# Altium PCB AccessControl_V1.0.1.PcbDoc (part 2 of 3)
Units mm, origin at the board's own origin, x right, y up, seen from the top; angles counter-clockwise.
Board outline 100 x 100 mm, 4 copper layers (Top Layer, GND, PWR, Bottom Layer), stack 1.586 mm thick; 311 components, 177 nets, 938 pads, 517 vias.
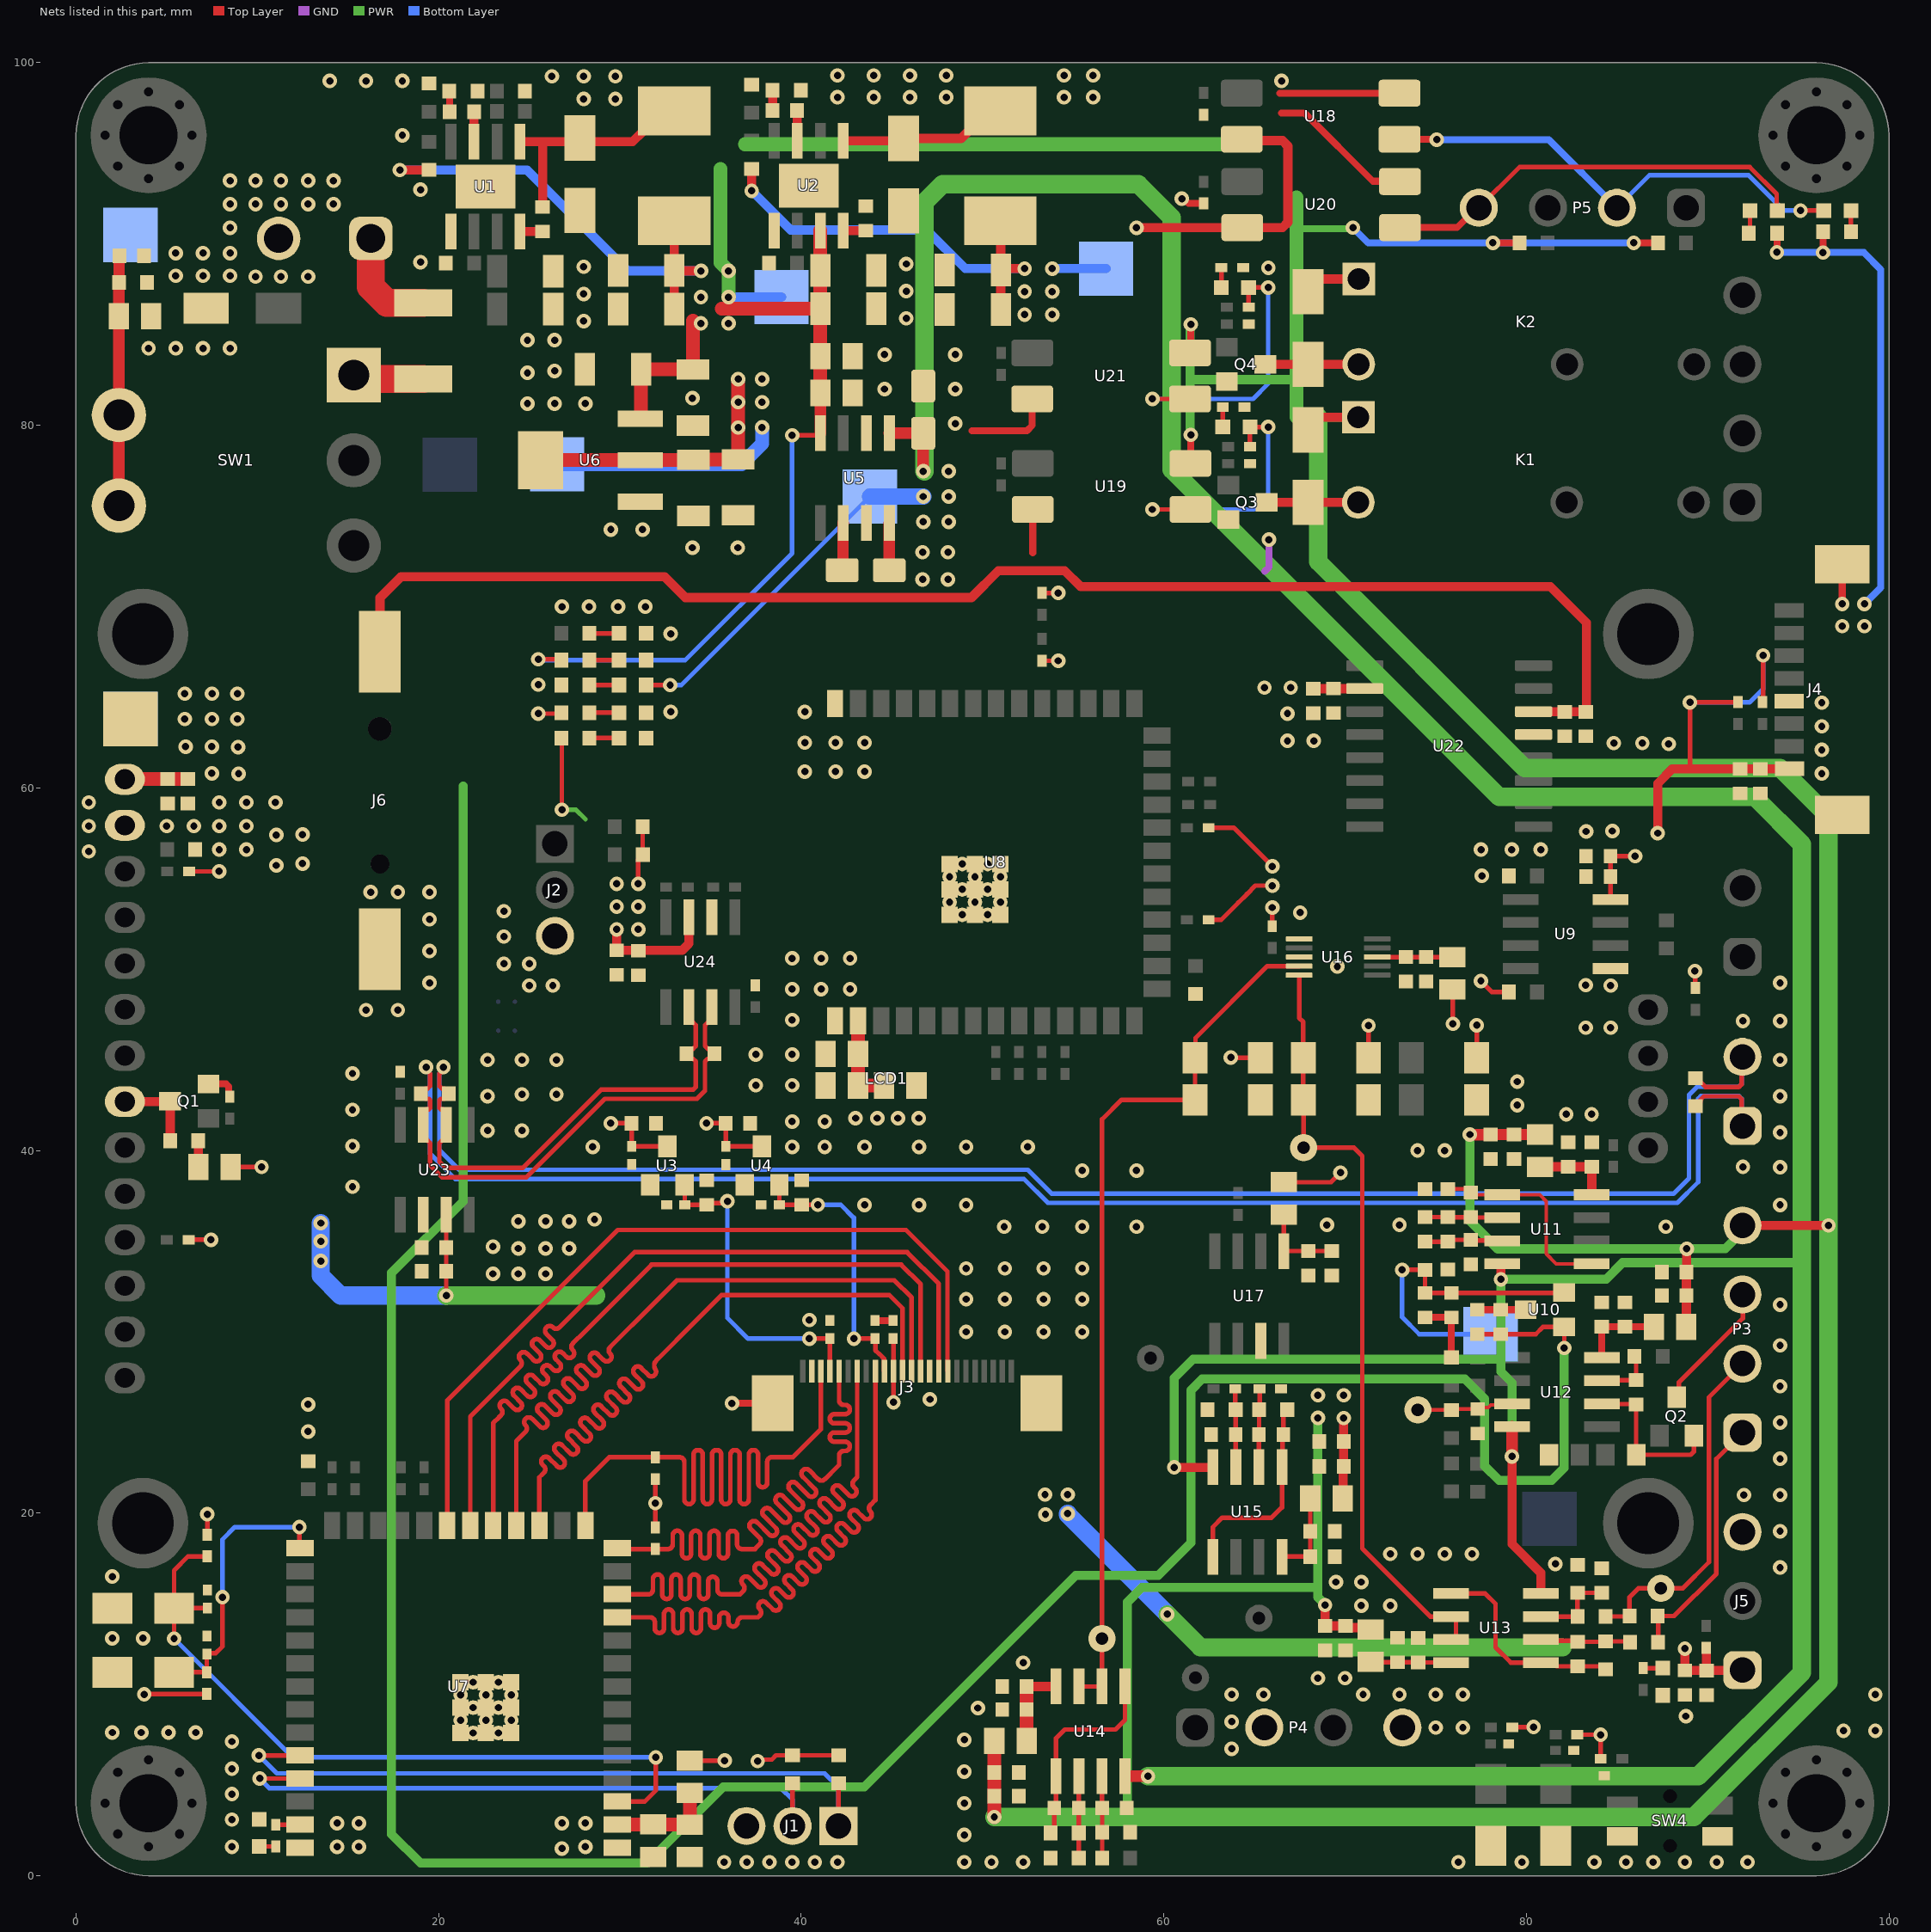
[diagram p4: the nets of this part, all layers, seen from the top]

## Via types
v1: diameter 0.8, hole 0.4, Top Layer to Bottom Layer, tented both sides, 517 vias

## Nets (pads, with @x,y where several pads share a name; then routed paths per layer and width w, separated by ;. In a path a pad name is that pad's centre, name@x,y a point inside that pad or via, vN(x,y) a via of type N, cw(c..) or ccw(c..) an arc to the next point about the centre after c; other vN are vias at no path point) (continued)
1V2: C22.2 C23.2 C39.2 J3.10 U4.2 | length 15.4
  Top Layer w0.254: U4.2@38.796,38.114 C22.2@38.796,37.008 C23.2@40.03,37.008 v1(40.919,37.008) ; v1(42.909,29.624) 44.094,29.624 44.094,28.981 44.297,28.779 44.317,28.779 44.567,28.529 44.567,27.858 J3.10@44.59,27.835
  Bottom Layer w0.254: v1(40.919,37.008) 42.189,37.008 42.909,36.289 v1(42.909,29.624)
2V5: C55.2 C56.2 R53.1 TP10.1 U10.2 | length 18.1
  Top Layer w0.254: v1(73.152,33.42) R53.1@74.413,33.42 C56.2@74.413,32.146 C55.2@75.87,32.146 82.061,32.146 U10.2@82.086,32.17
  Bottom Layer w0.254: v1(73.152,33.42) 73.152,30.81 74.092,29.87 TP10.1@78.029,29.87
2V8: C18.2 C19.2 C40.2 J3.4 U3.2 | length 17.9
  Top Layer w0.254: U3.2@33.574,38.114 33.582,38.106 C18.2@33.582,37.008 C19.2@34.783,37.008 34.882,37.106 35.832,37.106 v1(35.93,37.205) ; v1(40.454,29.624) C40.2@41.58,29.624 41.585,29.619 41.585,27.841 J3.4@41.59,27.835
  Bottom Layer w0.254: v1(35.93,37.205) 35.93,30.77 37.076,29.624 v1(40.454,29.624)
3V3: C10.2 C11.2 C16.2 C17.2 C20.2 C21.2 C41.2 C44.2 C45.2 C46.2 C47.2 C86.2 C87.2 C90.2 C91.2 C92.2 C93.2 C94.2 C95.2 D11.C D13.C D15.C FB2.2 FB3.2 FB4.1 FB10.2 FB11.2 J3.11 J4.1 J5.1 L2.2 R2.2 R14.2 R17.2 R18.2 R21.2 R22.2 R25.2 R26.2 R27.2 R29.2 R30.2 R31.2 R32.2 R33.2 R34.2 R37.2 R41.2 R42.2 R45.2 R77.2 R78.2 R79.2 R95.2 R96.2 R97.2 TP7.1 U3.3 U4.3 U9.8 U18.4 U20.4 U22.2 U23.3 U24.3 | length 208.7
  Top Layer w0.254: v1(3.759,10.008) 3.769,10.017 7.204,10.017 R21.2@7.214,10.027 ; R33.2@6.213,35.077 v1(7.442,35.077) ; R34.2@6.239,55.397 v1(7.897,55.397) ; R22.2@7.239,18.812 v1(7.239,19.939) ; FB4.1@8.537,39.091 v1(10.236,39.091) ; v1(20.422,32.004) C92.2@20.422,33.35 C93.2@20.422,34.646 U23.3@20.422,36.463 ; R14.2@26.788,62.738 26.8,62.725 v1(26.8,58.8) ; v1(29.496,41.504) C16.2@30.643,41.504 C17.2@30.643,40.234 U3.3@32.624,40.234 ; v1(31.013,54.712) 31.013,56.058 R30.2@31.267,56.312 31.255,56.325 R29.2@31.255,57.861 ; R32.2@31.953,19.218 v1(31.953,20.549) R31.2@31.953,21.879 ; FB2.2@33.858,6.353 v1(35.778,6.353) ; v1(34.779,41.504) C20.2@35.839,41.504 C21.2@35.839,40.226 37.838,40.226 U4.3@37.846,40.234 ; v1(37.6,6.325) 37.681,6.406 38.381,6.406 38.617,6.642 R18.2@39.522,6.642 R17.2@42.062,6.642 ; C41.2@45.085,29.624 45.088,29.622 45.088,27.838 J3.11@45.09,27.835 v1(45.09,26.116) ; R97.2@53.289,67.015 v1(54.178,67.015) ; R96.2@53.289,70.755 v1(54.178,70.755) ; R79.2@62.474,52.729 63.168,52.729 64.116,53.677 64.586,54.146 65.049,54.61 v1(65.989,54.61) ; R78.2@62.474,57.809 63.857,57.809 v1(65.989,55.677) ; v1(63.703,45.136) 63.729,45.11 D13.C@65.325,45.11 ; R77.2@65.989,52.373 v1(65.989,53.404) ; FB11.2@66.626,38.254 69.229,38.254 v1(69.75,38.775) ; D11.C@71.294,45.11 71.298,45.114 v1(71.298,46.897) ; FB10.2@75.921,48.89 75.946,48.864 v1(75.946,46.99) ; D15.C@77.263,45.11 77.263,46.91 v1(77.267,46.914) ; v1(77.495,49.352) 78.105,48.743 R45.2@79.04,48.743 ; R26.2@79.293,8.2 79.301,8.192 80.392,8.192 v1(80.4,8.2) ; R27.2@82.815,7.778 v1(84.097,7.778) 84.098,7.777 R25.2@84.1,6.453 R25.2@84.1,6.453 ; U9.8@84.644,53.848 C46.2@84.644,55.118 C47.2@84.644,56.236 v1(86.004,56.236) ; 89.013,61.052 89.027,61.067 v1(89.027,64.719) 89.037,64.729 91.647,64.729 91.657,64.719 R41.2@91.676,64.739 ; v1(89.3,49.9) 89.313,49.887 89.313,48.974 R37.2@89.325,48.962 ; R42.2@93.032,64.739 93.066,64.772 v1(93.066,67.31)
  Top Layer w0.5: R14.2@26.775,62.75 R14.2@26.788,62.738 ; v1(88.75,12.525) C86.2@88.75,11.325 88.753,11.322 C87.2@89.934,11.322 ; R95.2@89.925,12.575 89.929,12.571 89.929,11.327 C87.2@89.934,11.322 ; J5.1@91.875,11.34 91.864,11.33 89.947,11.33 C87.2@89.937,11.319 C87.2@89.934,11.322
  Top Layer w0.508: FB4.1@8.537,39.091 FB4.1@8.555,39.073 ; v1(29.82,52.197) C95.2@29.82,51.043 33.434,51.043 33.807,51.417 U24.3@33.807,52.869 ; v1(37.27,92.939) R2.2@37.27,94.145 ; L2.2@50.986,91.285 51.011,91.26 C10.2@51.011,88.57 ; C11.2@51.011,86.385 C10.2@51.011,88.57 ; v1(52.324,88.646) 51.087,88.646 C10.2@51.011,88.57 ; v1(58.5,90.9) U20.4@64.325,90.9 ; U18.4@64.306,95.783 64.382,95.707 66.548,95.707 66.853,95.402 66.853,91.204 66.555,90.907 U20.4@64.332,90.907 ; C91.2@68.25,65.476 C91.2@68.25,65.47 68.255,65.476 71.082,65.476 U22.2@71.088,65.481 ; v1(87.249,57.506) 87.249,60.249 88.052,61.052 89.013,61.052 C44.2@91.796,61.052 91.801,61.058 94.94,61.058 J4.1@94.945,61.063
  PWR w0.254: v1(26.8,58.8) 26.806,58.794 27.581,58.794 28.099,58.276
  PWR w1: v1(20.422,32.004) 28.696,32.004 ; v1(60.2,14.425) 62.025,12.6 82,12.6
  Bottom Layer w0.254: v1(89.027,64.719) 92.319,64.719 93.066,65.466 v1(93.066,67.31)
  Bottom Layer w0.508: v1(37.27,92.939) 39.429,90.78 46.922,90.78 49.055,88.646 v1(52.324,88.646) ; v1(53.848,88.646) TP7.1@56.82,88.646
  Bottom Layer w1: v1(13.5,36) v1(13.5,35) 13.504,34.996 v1(13.504,33.904) 13.504,33.096 14.596,32.004 v1(20.422,32.004) ; v1(54.7,19.975) 54.7,19.925 v1(60.2,14.425)
  other v1: 53.475,19.925 53.45,21.025 54.7,21.025 43.002,41.783 44.196,41.783 45.339,41.783 46.482,41.783 31.013,52.197 29.82,53.454 31.013,53.454 29.82,54.712 11.049,55.728 12.497,55.829 11.049,57.404 12.497,57.429 65.557,65.532 67.005,65.532 52.324,86.106 53.848,86.106 52.324,87.376 53.848,87.376
4_20mA_IN_N: P3.1 R66.1 R67.1 | length 14
  Top Layer w0.254: R67.1@87.271,12.875 87.271,14.297 R66.1@87.246,14.322 88.147,14.322 90.481,16.656 90.481,22.993 P3.1@91.925,24.437
4_20mA_IN_P: P3.2 R65.1 R66.2 TP12.1 | length 19.3
  Top Layer w0.254: R65.1@84.374,14.3 85.674,14.3 R66.2@85.696,14.322 85.696,15.371 86.175,15.85 TP12.1@87.425,15.85 88.625,15.85 90.075,17.3 90.075,26.397 P3.2@91.925,28.247
4_20mA_OUT: P3.3 Q2.3 | length 7.2
  Top Layer w0.254: Q2.3@88.298,26.391 88.423,26.515 88.423,27.223 91.95,30.75 91.95,32.031 P3.3@91.925,32.057
5V: C26.2 C27.2 C42.2 C43.2 C53.2 C54.2 LCD1.1 R13.2 TP6.1 U6.2 U6.4 U10.1 | length 191.1
  Top Layer w0.254: v1(25.5,64.1) 26.725,64.1 R13.2@26.775,64.15 ; C53.2@77.292,29.87 C54.2@78.588,29.87 80.518,29.87 80.918,30.27 U10.1@82.086,30.27 82.093,30.264 v1(82.093,29.108)
  Top Layer w0.762: LCD1.1@2.692,60.477 2.701,60.486 6.166,60.486 C43.2@6.172,60.492 ; U6.4@25.616,78.08 U6.2@31.128,78.08 31.14,78.092 34.049,78.092 C27.2@34.061,78.105 34.074,78.118 36.512,78.118 C26.2@36.525,78.13 v1(36.525,81.28) v1(36.525,82.55)
  PWR w0.5: 21.35,60.1 21.35,37.2 17.4,33.25 17.4,2.3 19,0.7 31.5,0.7 35.7,4.9 43.475,4.9 55.15,16.575 59.7,16.575 61.5,18.375 61.5,26.775 62.125,27.4 76.6,27.4 77.7,26.3 77.7,22.6 78.5,21.8 81.4,21.8 82.093,22.493 v1(82.093,29.108)
  Bottom Layer w0.762: TP6.1@26.543,77.851 36.701,77.851 37.839,78.989 37.839,79.876 v1(37.846,79.883)
  other v1: 8.966,60.782 7.493,60.808 8.941,62.255 6.045,62.281 7.493,62.281 36.525,79.88 37.846,81.28 37.846,82.55
12V: C5.2 C6.2 C7.2 C8.2 C13.2 C14.2 C24.2 C25.2 C51.2 C52.2 C61.2 C62.2 C67.2 C68.2 C73.2 C74.2 C79.2 C80.2 D17.1 D21.1 FB5.2 FB6.2 FB7.2 FB8.2 FB9.2 K1.1 K2.1 L1.2 P3.4 R1.2 R12.2 R81.1 R87.1 TP5.1 U2.7 U5.8 U6.3 U19.4 U21.4 | length 395.8
  Top Layer w0.254: v1(25.5,67.1) 26.725,67.1 R12.2@26.775,67.05 ; v1(39.5,79.45) 40.94,79.45 U5.8@41.054,79.564
  Top Layer w0.381: U21.4@61.449,83.998 61.496,84.045 v1(61.496,85.573) ; U19.4@61.475,77.902 61.496,77.923 v1(61.496,79.477) ; D21.1@67.97,87.369 67.97,87.409 D21.1@68.63,88.069 ; D17.1@67.996,79.749 67.996,79.789 D17.1@68.655,80.449 ; v1(78.156,90.068) R87.1@79.629,90.068 ; v1(85.928,90.068) R81.1@87.262,90.068
  Top Layer w0.5: FB9.2@69.864,20.806 69.896,20.837 69.896,22.552 C79.2@69.927,22.584 C80.2@69.927,23.955 v1(69.927,25.248) ; P3.4@91.925,35.867 v1(96.667,35.867)
  Top Layer w0.508: v1(17.864,94.082) 17.87,94.087 19.459,94.087 R1.2@19.464,94.093 ; C5.2@32.991,86.41 C5.2@33.003,86.422 C6.2@33.003,88.556 ; L1.2@33.003,91.209 C6.2@33.003,88.556 ; v1(34.476,88.519) 33.039,88.519 C6.2@33.003,88.556 ; D21.1@68.63,88.069 K2.1@70.756,88.069 ; D17.1@68.655,80.449 K1.1@70.73,80.449 ; v1(68.903,14.929) C68.2@68.903,13.775 C67.2@70.021,13.775 70.115,13.681 71.323,13.681 FB7.2@71.418,13.586 ; FB6.2@88.827,30.277 C61.2@88.827,32.004 C62.2@88.827,33.299 88.838,33.311 88.838,34.568 v1(88.85,34.58)
  Top Layer w0.635: U5.8@41.054,79.564 C13.2@41.054,81.788 ; v1@76.886,40.843 76.907,40.864 78.01,40.864 C51.2@78.03,40.885 C52.2@79.326,40.885 FB5.2@80.753,40.885
  Top Layer w0.762: U6.3@31.128,80.37 31.166,80.408 C25.2@31.166,83.083 C24.2@34.036,83.083 34.036,85.776 ; 35.627,86.436 C7.2@41.054,86.436 ; C13.2@41.054,81.788 C14.2@41.054,83.82 C7.2@41.054,86.436 ; U2.7@41.054,90.743 C8.2@41.054,88.544 C7.2@41.054,86.436 ; v1(50.654,3.237) C74.2@50.654,4.393 C73.2@50.654,5.688 FB8.2@50.654,7.441
  PWR w0.381: 67.316,82.525 67.325,82.534 ; 67.325,90.856 70.383,90.856 v1(70.434,90.907)
  PWR w0.5: 58,3.237 58,15.1 ; v1(88.85,34.58) 90.98,34.58 91.925,35.525 P3.4@91.925,35.867
  PWR w0.508: 58,15.1 58.804,15.904 68.5,15.904 ; v1(61.496,79.477) 61.455,79.517 61.455,82.525 ; v1(61.496,85.573) 61.455,85.532 61.455,82.525 ; 67.316,82.525 61.455,82.525 ; 67.325,80.462 67.339,80.449 68.529,80.449 K1.1@70.73,80.449 ; 67.325,88.097 67.353,88.069 K2.1@70.756,88.069 ; v1(68.5,25.25) 68.5,15.904 ; v1(68.903,14.929) 68.903,14.97 68.5,15.373 68.5,15.904 ; v1(76.886,40.885) 76.886,36.114 78.42,34.58 v1(88.85,34.58)
  PWR w0.762: 35.544,94.142 35.544,88.977 35.992,88.529 v1(35.992,88.519) v1(35.992,87.071) ; 36.906,95.504 64.389,95.504 ; 67.325,80.462 67.325,82.534 67.325,88.097 67.325,90.856 67.325,92.568
  PWR w1.016: v1(50.654,3.237) 58,3.237 89.237,3.237 96.675,10.675 96.675,58.425 94,61.1 79.9,61.1 68.529,72.471 68.529,80.449
  Bottom Layer w0.254: v1(25.5,67.1) 25.55,67.05 33.6,67.05 39.5,72.95 v1(39.5,79.45)
  Bottom Layer w0.381: v1(70.434,90.907) 71.272,90.068 v1(78.156,90.068) v1(85.928,90.068)
  Bottom Layer w0.508: v1(17.864,94.082) 24.875,94.082 30.437,88.519 v1(34.476,88.519) ; v1(35.992,87.071) TP5.1@38.913,87.071
  other v1: 68.5,26.5 69.927,26.5 34.468,85.623 35.992,85.623 34.468,87.071
12V_FILTER_1: C49.2 C50.2 FB5.1 U11.8 | length 4.4
  Top Layer w0.508: FB5.1@80.753,39.101 C49.2@82.306,39.101 C50.2@83.609,39.101 83.609,37.562 U11.8@83.611,37.56
12V_FILTER_2: C59.2 C60.2 FB6.1 U12.8 | length 4.6
  Top Layer w0.381: U12.8@84.161,28.575 C60.2@84.161,30.277 C59.2@85.446,30.277 FB6.1@87.043,30.277
12V_FILTER_3: C65.2 C66.2 FB7.1 U13.8 | length 4.4
  Top Layer w0.254: FB7.1@71.418,11.802 71.44,11.78 C65.2@72.89,11.78 ; C65.2@72.897,11.772 C66.2@74.025,11.772 ; C66.2@74.308,11.765 U13.8@76.111,11.765
12V_FILTER_4: C71.2 C72.2 FB8.1 U14.8 | length 4.6
  Top Layer w0.508: C71.2@52.438,10.438 U14.8@54.053,10.438
  Top Layer w0.762: FB8.1@52.438,7.441 C72.2@52.438,9.168 C71.2@52.438,10.438
12V_FILTER_5: C77.2 C78.2 FB9.1 U15.8 | length 4.8
  Top Layer w0.254: U15.8@66.521,17.594 66.532,17.605 C77.2@68.081,17.605 C78.2@68.081,19.002 FB9.1@68.081,20.806
-12V: C28.2 D4.C TP8.1 U5.5 U11.4 U12.4 U13.4 U14.4 U15.4 | length 259.1
  Top Layer w0.254: D4.C@31.45,65.675 v1(32.775,65.675)
  Top Layer w0.5: v1(60.575,22.525) 62.692,22.525 U15.4@62.711,22.544 ; v1(78.6,32.9) 78.6,33.7 78.65,33.75 U11.4@78.661,33.75 ; v1(79.211,23.125) 79.211,18.289 80.794,16.706 U13.4@80.794,15.567
  Top Layer w0.635: U5.5@44.864,79.564 C28.2@46.736,79.564 v1(46.736,77.47) ; U14.4@57.864,5.489 v1(59.132,5.489) ; v1(79.211,23.125) U12.4@79.211,24.765
  PWR w0.5: v1(60.575,22.525) 60.575,27.45 61.625,28.5 78.584,28.5 78.6,28.516 ; v1(79.211,23.125) 79.211,27.189 78.6,27.8 78.6,28.516 ; 95.2,33.817 85.317,33.817 84.4,32.9 v1(78.6,32.9) 78.6,28.516
  PWR w1.016: v1@46.8,77.47 46.8,92.3 47.8,93.3 58.6,93.3 60.436,91.464 60.436,77.564 78.5,59.5 92.6,59.5 95.2,56.9 95.2,33.817 95.2,11.2 89.489,5.489 v1(59.132,5.489)
  Bottom Layer w0.254: v1(32.775,65.675) 33.392,65.675 TP8.1@43.79,76.073
  Bottom Layer w0.889: TP8.1@43.79,76.073 v1(46.736,76.073)
  other v1: 46.736,74.676 48.133,74.676 48.133,76.073 48.133,77.47
BLE_EN: C33.2 R22.1 SW3.2 U7.3 | length 41.3
  Top Layer w0.254: v1(5.408,13.081) SW3.2@5.408,14.757 ; R22.1@7.239,17.612 6.182,17.612 5.408,16.838 SW3.2@5.408,14.757 ; C33.2@7.288,14.708 C33.2@7.239,14.757 SW3.2@5.408,14.757 ; U7.3@29.859,4.094 31.374,4.094 31.979,4.699 v1(31.979,6.528)
  Bottom Layer w0.254: v1(5.408,13.081) 11.962,6.528 v1(31.979,6.528)
BLE_FLASH: C32.2 R21.1 SW2.2 U7.27 | length 15.4
  Top Layer w0.254: SW2.2@5.408,11.227 R21.1@7.214,11.227 C32.2@7.214,12.227 7.255,12.268 7.696,12.268 8.081,12.653 v1@8.081,15.363 ; v1(12.319,19.228) 12.319,18.104 U7.27@12.359,18.064
  Bottom Layer w0.254: v1(8.077,15.367) 8.077,18.542 8.763,19.228 v1(12.319,19.228)
BLE_LED_STATUS: R23.1 U7.39 | length 1.2
  Top Layer w0.254: R23.1@11.024,2.814 U7.39@12.256,2.814
BLE_RXD: J1.1 R17.1 U7.36 | length 39.5
  Top Layer w0.254: v1(10.088,6.634) U7.36@12.359,6.634 ; J1.1@42.062,2.743 R17.1@42.062,5.093
  Bottom Layer w0.254: v1(10.088,6.634) 11.077,5.646 41.294,5.646 42.062,4.877 J1.1@42.062,2.743
BLE_TXD: J1.2 R18.1 U7.37 | length 35.9
  Top Layer w0.254: v1(10.13,5.364) U7.37@12.359,5.364 ; J1.2@39.522,2.743 R18.1@39.522,5.093
  Bottom Layer w0.254: v1(10.13,5.364) 10.668,4.826 38.887,4.826 39.522,4.191 J1.2@39.522,2.743
CAN_N: P7.1 R100.1 R101.2 R106.2 U23.7 U24.7 | length 118.7
  Top Layer w0.254: R100.1@19.012,43.104 19.266,42.85 19.462,42.85 19.533,42.779 19.533,42.342 19.462,42.271 19.325,42.271 19.152,42.098 U23.7@19.152,41.413 19.152,40.728 19.325,40.555 19.384,40.555 19.533,40.406 19.533,39.185 20.186,38.532 24.848,38.532 29.166,42.85 34.25,42.85 34.696,43.296 34.696,44.911 34.845,45.06 34.963,45.06 35.217,45.314 R101.2@35.217,45.339 35.217,45.364 34.963,45.618 34.845,45.618 34.696,45.767 34.696,46.912 34.845,47.061 34.904,47.061 35.077,47.234 U24.7@35.077,47.919 ; R100.1@19.012,43.129 19.012,43.155 19.266,43.409 19.384,43.409 19.533,43.557 19.533,44.232 19.31,44.455 v1(19.31,44.602) ; R106.2@89.35,42.55 89.45,42.55 89.604,42.704 89.604,42.804 89.792,42.992 91.726,42.992 91.875,42.843 P7.1@91.875,41.357
  Bottom Layer w0.254: v1(19.31,44.602) 19.31,44.455 19.533,44.232 19.533,39.82 20.922,38.43 52.291,38.43 53.611,37.111 88.329,37.111 89.483,38.265 89.483,42.859 89.632,43.008 91.726,43.008 91.875,42.859 P7.1@91.875,41.357
CAN_P: P7.2 R100.2 R101.1 R106.1 U23.6 U24.6 | length 116.3
  Top Layer w0.254: v1(20.263,44.602) 20.263,44.455 20.041,44.232 20.041,43.557 20.189,43.409 20.307,43.409 20.561,43.155 R100.2@20.561,43.129 20.561,43.104 20.307,42.85 20.111,42.85 20.041,42.779 20.041,42.342 20.111,42.271 20.249,42.271 20.422,42.098 U23.6@20.422,41.413 20.422,40.728 20.249,40.555 20.189,40.555 20.041,40.406 20.041,39.395 20.396,39.04 24.638,39.04 28.956,43.358 34.04,43.358 34.188,43.507 34.188,44.911 34.04,45.06 33.922,45.06 33.668,45.314 R101.1@33.668,45.339 33.668,45.364 33.922,45.618 34.04,45.618 34.188,45.767 34.188,46.912 34.04,47.061 33.98,47.061 33.807,47.234 U24.6@33.807,47.919 ; R106.1@89.35,44.1 89.35,44 89.604,43.746 89.643,43.746 89.889,43.5 91.726,43.5 91.875,43.649 P7.2@91.875,45.167
  Bottom Layer w0.254: v1(20.263,44.602) 20.263,44.455 20.041,44.232 20.041,40.03 21.133,38.938 52.502,38.938 53.821,37.619 88.119,37.619 88.975,38.475 88.975,43.07 89.421,43.516 91.726,43.516 91.875,43.665 P7.2@91.875,45.167
GND: C3.1 C4.1 C5.1 C6.1 C7.1 C8.1 C10.1 C11.1 C13.1 C14.1 C16.1 C17.1 C18.1 C19.1 C20.1 C21.1 C22.1 C23.1 C24.1 C25.1 C26.1 C27.1 C28.1 C29.1 C30.1 C31.1 C32.1 C33.1 C34.1 C35.1 C36.1 C37.1 C38.1 C39.1 C40.1 C41.1 C42.1 C43.1 C44.1 C45.1 C46.1 C47.1 C48.2 C49.1 C50.1 C51.1 C52.1 C53.1 C54.1 C55.1 C56.1 C58.1 C59.1 C60.1 C61.1 C62.1 C64.2 C65.1 C66.1 C67.1 C68.1 C70.2 C71.1 C72.1 C73.1 C74.1 C76.2 C77.1 C78.1 C79.1 C80.1 C82.1 C83.1 C84.1 C85.1 C86.1 C87.1 C88.1 C89.1 C90.1 C91.1 C92.1 C93.1 C94.1 C95.1 D1.2 D2.2 D3.2 D5.C D6.C D7.C D8.C D9.C D10.C D12.A D14.A D16.A FB1.2 J1.3 J2.3 J3.2 J3.15 J3.SH1 J3.SH2 J4.4 J4.SH1 J4.SH2 J5.3 J6.N LCD1.2 P1.2 P4.2 P4.4 Q1.2 Q3.2 Q4.2 R4.1 R5.1 R6.1 R7.1 R8.1 R9.1 R10.1 R15.2 R16.1 R19.1 R20.1 R24.1 R40.1 R51.2 R52.2 R54.1 R61.1 R63.2 R64.2 R69.2 R71.1 R73.2 R75.1 R84.1 R85.1 R86.1 R88.1 R89.1 R90.1 R93.1 R94.1 R104.2 R105.2 SW2.1 SW3.1 SW4.3 SW4.4 SW5.1 SW6.1 TP1.1 TP2.1 TP3.1 U1.5 U1.9 U2.5 U2.9 U3.1 U4.1 U5.3 U5.6 U6.1 U7.1 U7.40 U7.41_1 U7.41_2 U7.41_3 U7.41_4 U7.41_5 U7.41_6 U7.41_7 U7.41_8 U7.41_9 U7.41_10 U7.41_11 U7.41_12 U7.41_13 U7.41_14 U7.41_15 U7.41_16 U7.41_17 U7.41_18 U7.41_19 U7.41_20 U7.41_21 U8.1 U8.40 U8.41_1 U8.41_2 U8.41_3 U8.41_4 U8.41_5 U8.41_6 U8.41_7 U8.41_8 U8.41_9 U8.41_10 U8.41_11 U8.41_12 U8.41_13 U8.41_14 U8.41_15 U8.41_16 U8.41_17 U8.41_18 U8.41_19 U8.41_20 U8.41_21 U9.5 U10.3 U16.1 U16.3 U17.7 U18.2 U19.2 U20.2 U21.2 U22.13 U23.2 U24.2 | length 65.8